# Altium PCB e-puck3-coreboard.PcbDoc (part 3 of 7) (continued)
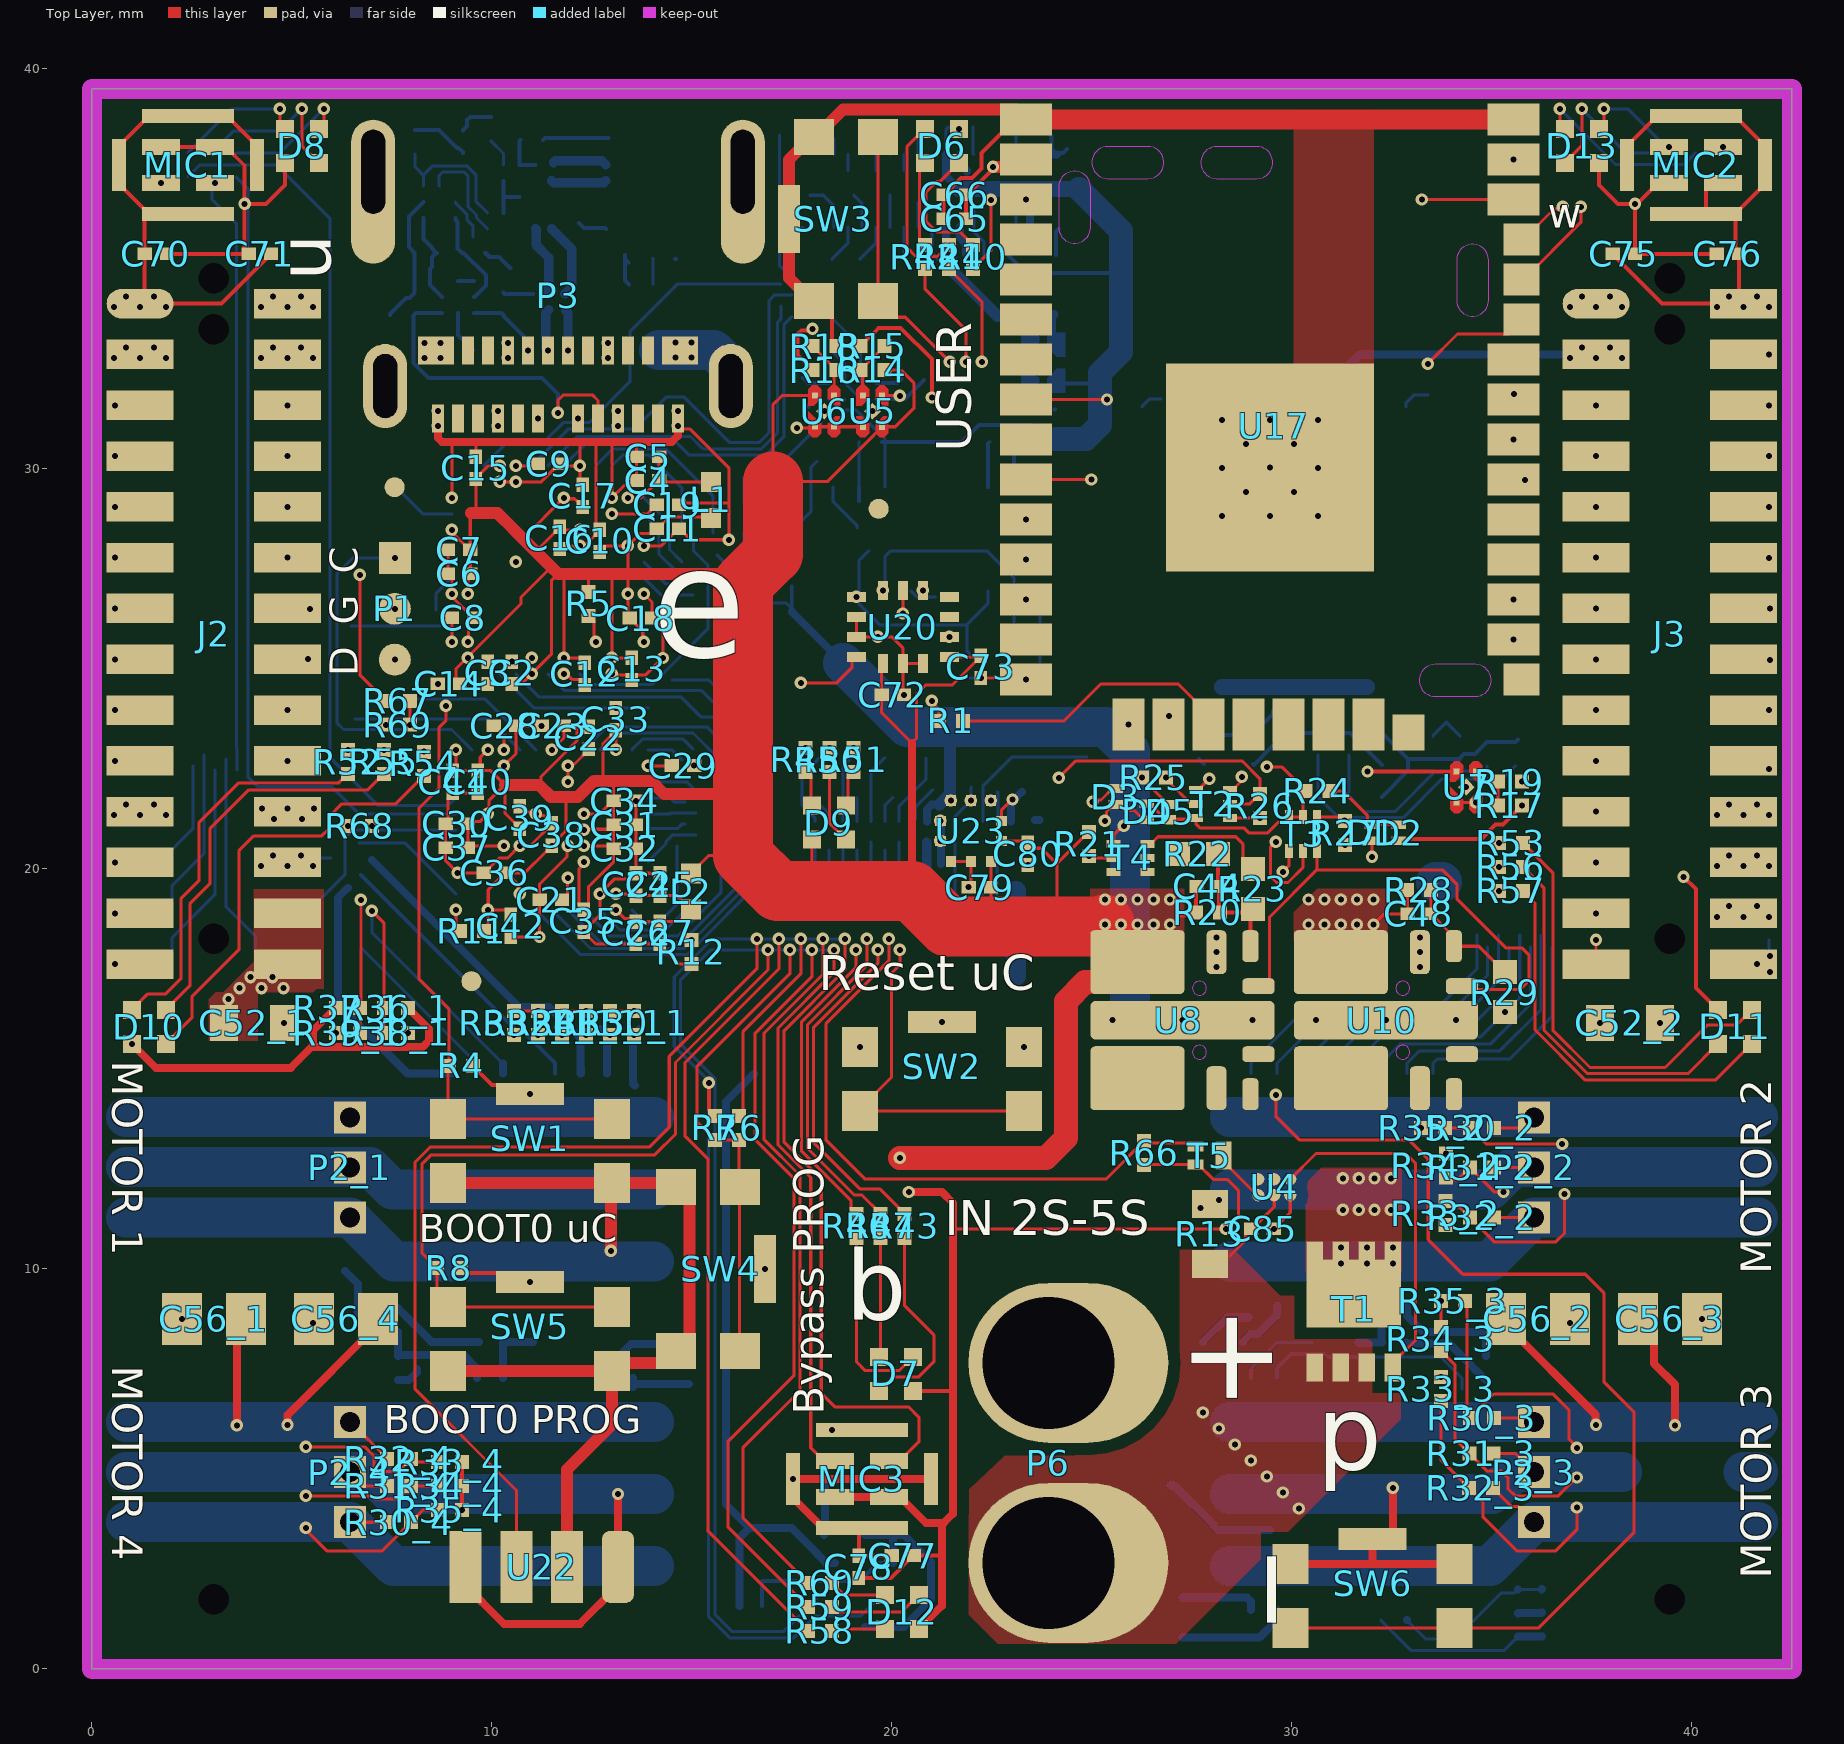
[diagram p0: Top Layer view]
## Nets (pads, with @x,y where several pads share a name; then routed paths per layer and width w, separated by ;. In a path a pad name is that pad's centre, name@x,y a point inside that pad or via, vN(x,y) a via of type N, cw(c..) or ccw(c..) an arc to the next point about the centre after c; other vN are vias at no path point) (continued)
  other v9: 30.175,4.006 29.775,4.406 29.375,4.806 28.975,5.206 28.575,5.606 28.175,6.006 27.775,6.406
BOOT0_2: R4.1 SW1.1 U1.A10 | length 19.3
  Top Layer w0.077: v4(8.85,24.075) 8.85,23.7 8.675,23.525 8.675,22.009 8.175,21.509 8.175,17.25 8.925,16.5 R4.1@8.925,15.075 8.9,15.05 SW1.1@8.9,13.75 SW1.1@13,13.75
  Bot Mid Layer 2 w0.077: v4(8.85,24.075) 12.175,24.075 12.6,24.5 v3(12.6,24.875)
  other v1: 12.6,24.875
  other v2: 12.6,24.875
  other v5: 8.85,24.075
  other v6: 8.85,24.075
  other v7: 8.85,24.075
  other v8: 8.85,24.075
  other v9: 8.85,24.075
BYPASS_PROG_1: R6.1 U1.L1 | length 29.4
  Top Layer w0.077: R6.1@16.175,13.825 16.275,13.925 16.275,15.925 17.725,17.375 v9(17.725,18.25)
  Top Mid Layer 2 w0.077: v6(7,19.493) 9.01,19.493 10.452,18.05 13.85,18.05 14.609,18.809 17.166,18.809 v9(17.725,18.25)
  Bot Mid Layer 3 w0.077: v6(7,19.493) 7.872,20.364 7.872,28.078 7.5,28.45 v4(7.5,29.65)
  Bottom Layer w0.077: v4(7.5,29.65) 8.275,28.875 U1.L1@9,28.875
  other v1: 7.5,29.65
  other v2: 7.5,29.65
  other v3: 7.5,29.65
  other v5: 7,19.493
  other v7: 17.725,18.25
  other v8: 17.725,18.25
bypass_prog_3: R6.2 R7.1 SW4.1 U2.B1 U2.C2 | length 30.2
  Top Layer w0.077: SW4.1@16.19,7.936 SW4.1@16.19,12.036 ; SW4.1@16.45,12.05 16.175,12.325 R6.2@16.175,13.225 R7.1@15.575,13.225 15.125,13.675 15.125,15.05 17.45,17.375 v9(17.45,17.975)
  Top Mid Layer 1 w0.077: v7(17.325,32.775) 17.325,32.213 17.322,32.21 17.322,27.925 16.757,27.361 16.757,22.943 17.825,21.875 17.825,19.45 17.45,19.075 v9(17.45,17.975)
  Bot Mid Layer 1 w0.077: v7(17.325,32.775) 18.314,32.775 18.464,32.925 v2(18.525,32.925)
  Bottom Layer w0.077: v2(18.525,32.925) 18.816,32.634 U2.B1@18.816,32.15 U2.C2@19.216,31.75
  other v1: 18.525,32.925
  other v3: 17.325,32.775
  other v4: 17.325,32.775
  other v5: 17.325,32.775
  other v6: 17.325,32.775
  other v8: 17.45,17.975
C_CC1_7: C83.1 P3.A5 U13.A1 | length 8.2
  Top Layer w0.077: v10(11.65,31.4) 11.65,31.707 11.793,31.85 12.511,31.85 12.655,31.706 P3.A5@12.655,31.26
  Bottom Layer w0.1: U13.A1@8.75,33.9 8.105,33.9 C83.1@8.05,33.845 8.041,33.836 8.041,32.649 8.415,32.275 11.25,32.275 11.65,31.875 v10(11.65,31.4)
C_CC2_7: C84.1 P3.B5 U13.A3 | length 1.9
  Bottom Layer w0.1: U13.A3@9.55,33.9 10.238,33.9 C84.1@10.293,33.845 10.293,33.825 10.905,33.213 v10(10.905,32.96)
C_DM_7: D15.A1 P3.A7 P3.B7 | length 3.1
  Top Mid Layer 1 w0.077: v9(11.155,31.26) 11.155,31.705 11.905,32.455 v22(11.905,32.96)
  Bottom Layer w0.077: D15.A1@11.825,33.975 D15.A1@11.85,33.95 ; v22@11.85,33.015 v22(11.905,32.96)
  Bottom Layer w0.234: D15.A1@11.85,33.95 11.905,33.895 v22(11.905,32.96)
  other v8: 11.155,31.26
C_DP_7: D15.B1 P3.A6 P3.B6 | length 3.1
  Bot Mid Layer 2 w0.077: v21(11.405,32.96) 11.405,32.456 12.155,31.706 v9(12.155,31.26)
  Bottom Layer w0.234: v21(11.405,32.96) 11.35,33.015 11.35,33.9 D15.B1@11.425,33.975
  other v4: 12.155,31.26
  other v5: 12.155,31.26
  other v6: 12.155,31.26
  other v7: 12.155,31.26
  other v8: 12.155,31.26
CAN1.RX_1: U1.A4 U19.4 | length 13.5
  Bot Mid Layer 2 w0.077: v3(13.911,24.025) 13.911,24.626 14.372,25.086 14.372,25.539 16.183,27.35 18.375,27.35 v3(18.85,27.825)
  Bot Mid Layer 1 w0.077: v3(18.85,27.825) v2(20.475,29.45)
  Bottom Layer w0.077: U1.A4@10.2,24.875 11.05,24.025 v3(13.911,24.025)
  other v1: 13.911,24.025 20.475,29.45
  other v2: 13.911,24.025
CAN1.TX_1: U1.D5 U19.1 | length 12.1
  Top Mid Layer 1 w0.077: v7(18.35,26.332) v7(18.35,27.825)
  Bot Mid Layer 1 w0.077: v7(18.35,27.825) 18.35,27.857 18.974,28.482 19.082,28.482 v2(19.125,28.525)
  Top Mid Layer 2 w0.077: v4(10.6,26.075) 11.104,25.571 13.271,25.571 13.638,25.938 14.406,25.938 14.689,26.221 17.45,26.221 17.561,26.332 v7(18.35,26.332)
  Bot Mid Layer 3 w0.077: v5@10.583,26.057 v4(10.6,26.075)
  Bottom Layer w0.077: U19.1@18.525,29.55 18.525,29.186 19.125,28.586 v2(19.125,28.525)
  other v1: 10.6,26.075 19.125,28.525
  other v2: 10.6,26.075
  other v3: 10.6,26.075 18.35,27.825
  other v4: 18.35,27.825
  other v5: 10.6,26.075 18.35,27.825
  other v6: 10.6,26.075 18.35,27.825
CAN_BUS.CANH_1: J1.1 J2.17 J4.37 U19.7 U21.7 | length 38.7
  Bot Mid Layer 1 w0.077: v2(19.425,27.95) 20.856,29.381 20.856,30.994 20.4,31.45 v4(20.375,31.45)
  Top Mid Layer 2 w0.077: v6(1.175,30.225) 1.45,29.95 6.675,29.95 v6(7.2,30.475)
  Bot Mid Layer 3 w0.077: v3(0.575,23.969) 1.6,24.995 1.6,29.775 1.175,30.2 v6(1.175,30.225) ; v6(7.2,30.475) 9.068,32.343 15.143,32.343 15.408,32.607 15.408,32.693 15.773,33.059 18.766,33.059 v4(20.375,31.45)
  Bottom Layer w0.077: v2(19.425,27.95) 19.175,27.7 U19.7@19.175,26.95 19.175,26.625 19.7,26.1 21.875,26.1 ; J1.1@21.95,25.375 21.875,25.45 21.875,26.1 ; U21.7@22.4,26.95 22.4,26.625 21.875,26.1
  other v1: 0.575,23.969 19.425,27.95
  other v2: 0.575,23.969
  other v3: 20.375,31.45
  other v4: 0.575,23.969
  other v5: 0.575,23.969 1.175,30.225 7.2,30.475
  other v6: 0.575,23.969
  other v7: 0.575,23.969
  other v8: 0.575,23.969
  other v9: 0.575,23.969
CAN_BUS.CANL_1: J2.19 J4.35 R76.2 U19.6 U21.6 | length 40.5
  Bot Mid Layer 1 w0.077: v2(19.975,27.95) 21.208,29.183 21.208,31.017 v4(20.375,31.85)
  Top Mid Layer 2 w0.077: v6(1.175,30.75) v6(6.925,30.75)
  Bot Mid Layer 3 w0.077: v3(0.575,22.699) 1.825,23.949 1.825,30.1 v6(1.175,30.75) ; v6(6.925,30.75) 7.206,30.75 8.957,32.501 15.084,32.501 15.254,32.671 15.254,32.757 15.709,33.213 19.012,33.213 v4(20.375,31.85)
  Bottom Layer w0.077: U19.6@19.825,26.95 19.825,27.8 v2(19.975,27.95) 22.375,27.95 23.05,27.275 U21.6@23.05,26.95 R76.2@23.05,25.65
  other v1: 0.575,22.699 19.975,27.95
  other v2: 0.575,22.699
  other v3: 20.375,31.85
  other v4: 0.575,22.699
  other v5: 0.575,22.699 1.175,30.75 6.925,30.75
  other v6: 0.575,22.699
  other v7: 0.575,22.699
  other v8: 0.575,22.699
  other v9: 0.575,22.699
CAN_PROG.RX_1: U3.B3 U21.4 | length 24.3
  Top Mid Layer 1 w0.077: v3(9.5,22.175) 10.296,22.175 10.571,22.45 10.571,22.746 11.275,23.45 12.143,23.45 12.343,23.25 v7(13.825,23.25) ; v7(24.275,23.975) 24.943,24.643 24.943,28.846 25.553,29.457 25.757,29.457 v7(25.8,29.5)
  Bot Mid Layer 1 w0.077: v2(23.7,29.55) 23.725,29.525 25.775,29.525 v7(25.8,29.5)
  Top Mid Layer 2 w0.077: v7(13.825,23.25) 14.175,23.25 14.582,23.657 17.679,23.657 17.747,23.725 22.8,23.725 23.05,23.975 v7(24.275,23.975)
  other v1: 9.5,22.175 23.7,29.55
  other v2: 9.5,22.175
  other v3: 25.8,29.5
  other v4: 9.5,22.175 25.8,29.5
  other v5: 9.5,22.175 25.8,29.5
  other v6: 9.5,22.175 25.8,29.5
  other v7: 9.5,22.175
CAN_PROG.TX_1: U3.C4 U21.1 | length 32.9
  Bot Mid Layer 2 w0.077: v4(23.3,20.8) 23.397,20.897 23.397,21.65 26.075,24.328 v3(26.075,28.9)
  Bot Mid Layer 1 w0.077: v2(21.75,29.55) 22.4,28.9 v3(26.075,28.9)
  Bot Mid Layer 3 w0.077: v3(9.9,21.775) 9.325,21.199 9.325,19.178 9.482,19.02 9.482,18.802 9.873,18.412 10.824,18.412 11.757,17.479 15.38,17.479 18.701,20.8 v4(23.3,20.8)
  other v1: 9.9,21.775 21.75,29.55
  other v2: 9.9,21.775
  other v4: 9.9,21.775
CC1_7: C58.1 U12.C1 U13.B1 | length 2.3
  Bottom Layer w0.1: U12.C1@8.289,36.275 8.289,35.741 8.5,35.53 8.5,35.51 C58.1@8.61,35.4 ; C58.1@8.63,35.4 C58.1@8.61,35.4 ; U13.B1@8.75,34.3 8.45,34.6 8.45,35.002 8.5,35.052 8.5,35.29 C58.1@8.61,35.4
CC2_7: C59.1 U12.A1 U13.B3 | length 2.4
  Bottom Layer w0.1: U12.A1@9.089,36.275 9.089,36.22 9.14,36.169 9.14,35.51 9.25,35.4 C59.1@9.27,35.4 9.29,35.4 9.85,34.84 9.85,34.582 9.568,34.3 U13.B3@9.55,34.3
DAC1_1: J3.5 J5.49 U1.L9 | length 27.6
  Top Mid Layer 2 w0.077: v4(12.2,28.875) 12.863,29.538 13.509,29.538 14.298,28.749 21.191,28.749 21.459,29.018 35.821,29.018 37.608,30.805 v3(37.608,31.585)
  other v1: 12.2,28.875 37.608,31.585
  other v2: 12.2,28.875 37.608,31.585
  other v3: 12.2,28.875
  other v4: 37.608,31.585
  other v5: 12.2,28.875 37.608,31.585
  other v6: 12.2,28.875 37.608,31.585
  other v7: 37.608,31.585
  other v8: 37.608,31.585
  other v9: 37.608,31.585
DCMI.DCMI_D0_1: P4.10 P5.10 U1.K4 | length 33.3
  Bot Mid Layer 2 w0.077: v3(20.025,21.785) 20.025,21.789 20.583,22.346 20.583,23.086 22.01,24.513 22.01,26.098 21.899,26.208 21.899,28.226 21.782,28.343 21.782,33.418 20.575,34.625 20.575,36.375 20.3,36.65 v3(20.3,37.46)
  Bot Mid Layer 3 w0.077: v3(10.2,28.475) 9.628,29.046 9.628,30.364 10.065,30.8 14.116,30.8 14.889,30.028 17.557,30.028 17.934,30.405 21.63,30.405 v4(21.775,30.55)
  Bottom Layer w0.077: P5.10@19.825,21.185 19.825,21.585 v3(20.025,21.785) ; v3(20.3,37.46) P4.10@20.3,37.86
  other v1: 20.025,21.785 10.2,28.475 20.3,37.46
  other v2: 20.025,21.785 10.2,28.475 20.3,37.46
  other v4: 10.2,28.475
DCMI.DCMI_D1_1: P4.21 P5.21 U1.F5 | length 35.3
  Bot Mid Layer 2 w0.077: v3(19.825,20.465) 19.825,21.607 19.757,21.674 19.757,21.896 20.061,22.2 20.063,22.2 20.429,22.565 20.429,23.215 21.725,24.511 v4(21.725,25.35) 21.725,28.05 21.507,28.268 21.507,33.393 20.3,34.6 v3(20.3,35.24)
  Top Mid Layer 2 w0.077: v3(10.6,26.875) 9.778,26.875 9.111,26.207 8.942,26.207 8.546,25.811 8.546,25.539 10.089,23.995 13.745,23.995 14.775,25.025 20.925,25.025 21.25,25.35 v4(21.725,25.35)
  Bottom Layer w0.077: P5.21@19.825,19.365 v3(19.825,20.465) ; v3(20.3,35.24) P4.21@20.3,36.04
  other v1: 19.825,20.465 10.6,26.875 20.3,35.24
  other v2: 19.825,20.465 10.6,26.875 20.3,35.24
  other v4: 10.6,26.875
  other v5: 21.725,25.35 10.6,26.875
  other v6: 21.725,25.35 10.6,26.875
DCMI.DCMI_D2_1: P4.11 P5.11 U1.A7 | length 29.3
  Bot Mid Layer 2 w0.077: v3(19.825,22.775) 19.825,23.65 21,24.825 v3(21,24.85) 21,26.404 20.826,26.578 20.826,28.001 20.951,28.126 20.951,33.099 19.55,34.5 19.55,35.8 19.4,35.95 19.4,37.282 19.332,37.349 19.332,37.643 v3(19.95,38.26)
  Bot Mid Layer 1 w0.077: v2(15.525,24.175) 16.125,24.775 20.386,24.775 20.461,24.85 v3(21,24.85)
  Bottom Layer w0.077: U1.A7@11.4,24.875 11.822,24.453 15.247,24.453 v2(15.525,24.175) ; P5.11@19.475,21.185 19.475,22.425 v3(19.825,22.775) ; P4.11@19.95,37.86 v3(19.95,38.26)
  other v1: 19.825,22.775 15.525,24.175 19.95,38.26
  other v2: 19.825,22.775 19.95,38.26
DCMI.DCMI_D3_1: P4.20 P5.20 U1.P3 | length 33.6
  Bot Mid Layer 2 w0.077: v3(19.475,20.665) 19.475,21.831 19.997,22.354 20,22.354 20.275,22.628 20.275,23.374 21.515,24.615 21.515,25.078 21.4,25.193 21.4,26.432 21.515,26.547 21.515,27.96 21.353,28.122 21.353,33.272 19.879,34.746 19.879,35.886 19.95,35.958 v3(19.95,36.84)
  Bot Mid Layer 1 w0.077: v2(17.225,34.625) 19.44,36.84 v3(19.95,36.84)
  Bottom Layer w0.077: U1.P3@9.8,30.075 10.45,30.725 11.353,30.725 11.782,31.154 12.429,31.154 13.45,32.175 13.45,33.425 14.65,34.625 17.19,34.625 17.207,34.608 v2(17.225,34.625) ; P5.20@19.475,19.365 v3(19.475,20.665) ; P4.20@19.95,36.04 v3(19.95,36.84)
  other v1: 19.475,20.665 17.225,34.625 19.95,36.84
  other v2: 19.475,20.665 19.95,36.84
DCMI.DCMI_D4_1: P4.12 P5.12 U1.F7 | length 28.8
  Bot Mid Layer 2 w0.077: v3(19.125,21.785) 19.561,22.221 19.647,22.221 19.934,22.508 19.936,22.508 20.121,22.692 20.121,23.567 21.361,24.808 21.361,25.014 21.2,25.175 21.2,26.45 21.361,26.611 21.361,27.514 21.15,27.725 21.15,33.2 19.704,34.646 19.704,35.896 19.6,36 v3(19.6,37.46)
  Top GND Plane w0.077: v8(11.4,26.875) 11.668,26.607 17.682,26.607 18.425,27.35 19.6,27.35 20.025,27.775 v8(21.1,27.775)
  Bottom Layer w0.077: P5.12@19.125,21.185 v3(19.125,21.785) ; v3(19.6,37.46) P4.12@19.6,37.86
  other v1: 19.125,21.785 11.4,26.875 19.6,37.46
  other v2: 19.125,21.785 11.4,26.875 19.6,37.46
  other v3: 11.4,26.875
  other v4: 11.4,26.875 21.1,27.775
  other v5: 11.4,26.875 21.1,27.775
  other v6: 11.4,26.875 21.1,27.775
  other v7: 11.4,26.875 21.1,27.775
DCMI.DCMI_D5_1: P4.19 P5.19 U1.D10 | length 26.8
  Bot Mid Layer 2 w0.077: v3(19.125,20.465) 19.125,20.85 18.825,21.15 18.825,21.863 19.161,22.2 19.163,22.2 19.557,22.594 19.557,23.707 20.672,24.822 20.672,30.772 20.797,30.897 20.797,32.978 19.2,34.575 v3(19.2,35.24)
  Bot Mid Layer 3 w0.077: v3(12.6,26.075) 12.908,26.382 20.118,26.382 20.4,26.1 v4(20.675,26.1)
  Bottom Layer w0.077: P5.19@19.125,19.365 v3(19.125,20.465) ; v3(19.2,35.24) 19.6,35.64 P4.19@19.6,36.04
  other v1: 19.125,20.465 12.6,26.075 19.2,35.24
  other v2: 19.125,20.465 12.6,26.075 19.2,35.24
  other v4: 12.6,26.075
DCMI.DCMI_D6_1: P4.13 P5.13 U1.C11 | length 26.2
  Bot Mid Layer 2 w0.077: v3(18.925,22.775) 18.925,24.025 19.954,25.054 v4(19.954,25.95) 19.921,25.983 19.921,33.107 18.233,34.796 18.233,36.414 19.171,37.353 19.171,37.736 19.25,37.815 v3(19.25,38.26)
  Bot Mid Layer 3 w0.077: v3(13,25.675) 13.427,25.675 13.702,25.95 v4(19.954,25.95)
  Bottom Layer w0.077: P5.13@18.775,21.185 18.775,22.564 18.925,22.714 v3(18.925,22.775) ; P4.13@19.25,37.86 v3(19.25,38.26)
  other v1: 18.925,22.775 13,25.675 19.25,38.26
  other v2: 18.925,22.775 13,25.675 19.25,38.26
  other v4: 13,25.675
DCMI.DCMI_D7_1: P4.18 P5.18 U1.B12 | length 27.7
  Bot Mid Layer 2 w0.077: v3(18.775,20.665) 18.775,20.975 18.6,21.15 18.6,21.856 19.097,22.354 19.1,22.354 19.403,22.657 19.403,23.946 20.501,25.043 20.501,25.896 20.407,25.989 20.407,26.443 v3(20.4,26.45) 20.4,30.9 20.643,31.143 20.643,32.071 20.388,32.325 20.388,33.08 18.825,34.643 18.825,36.615 v3(19.05,36.84)
  Bot Mid Layer 1 w0.077: v2(13.4,25.275) 13.773,25.275 14.765,26.268 20.204,26.268 20.386,26.45 v3(20.4,26.45)
  Bottom Layer w0.077: P5.18@18.775,19.365 v3(18.775,20.665) ; v3(19.05,36.84) 19.25,36.64 P4.18@19.25,36.04
  other v1: 18.775,20.665 13.4,25.275 19.05,36.84
  other v2: 18.775,20.665 19.05,36.84
DCMI.DCMI_D8_1: P4.14 P5.14 U1.B3 | length 29.9
  Bot Mid Layer 2 w0.077: v3(18.025,21.785) 18.657,22.417 18.657,24.075 19.675,25.092 v3(19.675,25.375) 19.686,25.386 19.686,33.124 18.079,34.732 18.079,36.59 18.9,37.412 v3(18.9,37.46)
  Bot Mid Layer 1 w0.077: v2(9.8,25.275) 9.8,25.267 11.249,23.818 12.682,23.818 12.988,23.512 14.001,23.512 15.864,25.375 v3(19.675,25.375)
  Bottom Layer w0.077: v3(18.025,21.785) 18.364,21.447 18.364,21.247 P5.14@18.425,21.185 ; v3(18.9,37.46) P4.14@18.9,37.86
  other v1: 18.025,21.785 9.8,25.275 18.9,37.46
  other v2: 18.025,21.785 18.9,37.46
DCMI.DCMI_D9_1: P4.17 P5.17 U1.C3 | length 30.4
  Bot Mid Layer 2 w0.077: v3(18.425,20.465) 18.425,21.899 19.034,22.508 19.036,22.508 19.249,22.721 19.249,24.074 20.233,25.058 v4(20.233,25.35) 20.233,26.167 20.075,26.325 20.075,33.175 18.5,34.75 v3(18.5,35.24)
  Top Mid Layer 2 w0.077: v3(9.8,25.675) 9.8,24.968 10.464,24.303 13.464,24.303 14.778,25.618 19.507,25.618 19.775,25.35 v4(20.233,25.35)
  Bottom Layer w0.077: P5.17@18.425,19.365 v3(18.425,20.465) ; v3(18.5,35.24) 18.9,35.64 P4.17@18.9,36.04
  other v1: 18.425,20.465 9.8,25.675 18.5,35.24
  other v2: 18.425,20.465 9.8,25.675 18.5,35.24
  other v4: 9.8,25.675
  other v5: 20.233,25.35 9.8,25.675
  other v6: 20.233,25.35 9.8,25.675
DCMI.DCMI_D10_1: P4.15 P5.15 U1.D3 | length 32
  Bot Mid Layer 2 w0.077: v3(18.2,22.775) 18.2,24.421 19.129,25.35 19.129,33.246 17.675,34.7 17.675,37.385 v3(18.55,38.26)
  Top Mid Layer 2 w0.077: v3(9.8,26.075) 9.778,26.053 9.006,26.053 8.7,25.748 8.7,25.602 10.153,24.149 13.624,24.149 14.825,25.35 v4(19.125,25.35)
  Bottom Layer w0.077: P5.15@18.075,21.185 18.075,21.275 17.758,21.593 17.758,22.333 v3(18.2,22.775) ; P4.15@18.55,37.86 v3(18.55,38.26)
  other v1: 18.2,22.775 9.8,26.075 18.55,38.26
  other v2: 18.2,22.775 9.8,26.075 18.55,38.26
  other v4: 9.8,26.075
  other v5: 19.125,25.35 9.8,26.075
  other v6: 19.125,25.35 9.8,26.075
DCMI.DCMI_D11_1: P4.16 P5.16 U1.E5 | length 29.6
  Bot Mid Layer 2 w0.077: v3(17.95,36.84) 17.925,36.814 17.925,34.668 19.4,33.193 v4(19.4,26.65) 19.4,25.247 18.503,24.35 18.503,22.685 17.758,21.939 17.758,20.982 v3(18.075,20.665)
  Top Mid Layer 2 w0.077: v4(10.6,26.475) 11.35,25.725 13.075,25.725 13.442,26.092 14.192,26.092 14.475,26.375 17.228,26.375 17.503,26.65 v4(19.4,26.65)
  Bottom Layer w0.077: v3(17.95,36.84) 18.285,36.84 18.55,36.575 P4.16@18.55,36.04 ; P5.16@18.075,19.365 v3(18.075,20.665)
  other v1: 18.075,20.665 10.6,26.475 17.95,36.84
  other v2: 18.075,20.665 10.6,26.475 17.95,36.84
  other v3: 10.6,26.475
  other v5: 10.6,26.475 19.4,26.65
  other v6: 10.6,26.475 19.4,26.65
DCMI.DCMI_HSYNC_1: P4.8 P5.8 U1.M5 | length 31.6
  Bot Mid Layer 2 w0.077: v3(21,37.46) 21,37.207 21.443,36.765 21.443,35.157 22.775,33.825 v4(22.775,29.475) 22.775,23.725 v3(21.025,21.975)
  Bot Mid Layer 3 w0.077: v3(10.6,29.275) 11.663,30.338 13.925,30.338 14.697,29.566 17.749,29.566 18.125,29.943 22.307,29.943 v4(22.775,29.475)
  Bottom Layer w0.077: P5.8@20.525,21.185 20.587,21.247 20.587,21.537 v3(21.025,21.975) ; v3(21,37.46) P4.8@21,37.86
  other v1: 21.025,21.975 10.6,29.275 21,37.46
  other v2: 21.025,21.975 10.6,29.275 21,37.46
  other v4: 10.6,29.275
DCMI.DCMI_PIXCLK_1: P4.9 P5.9 U1.N10 | length 29.9
  Bot Mid Layer 2 w0.077: v3(20.65,38.26) 20.65,37.432 20.5,37.282 20.5,36.675 20.729,36.446 20.729,34.771 22.05,33.45 v3(22.05,32.25) 22.053,32.247 22.053,26.272 22.164,26.161 22.164,24.339 20.85,23.025 v3(20.85,22.775)
  Bot Mid Layer 1 w0.077: v2(12.6,29.675) 12.871,29.946 12.875,29.942 16.821,29.942 17.629,30.75 18.457,30.75 20.354,32.647 21.653,32.647 v3(22.05,32.25)
  Bottom Layer w0.077: P5.9@20.175,21.185 20.175,21.557 20.85,22.232 v3(20.85,22.775) ; P4.9@20.65,37.86 v3(20.65,38.26)
  other v1: 20.85,22.775 12.6,29.675 20.65,38.26
  other v2: 20.85,22.775 20.65,38.26
DCMI.DCMI_VSYNC_1: P4.23 P5.23 U1.D11 | length 28.2
  Bot Mid Layer 2 w0.077: v3(20.525,20.465) 20.525,21.643 20.7,21.818 20.7,22.028 22.475,23.803 v3(22.475,26.55) 22.475,29.813 22.593,29.93 22.593,33.607 21.175,35.025 v3(21.175,35.225)
  Bot Mid Layer 1 w0.077: v2(13,26.075) 13.005,26.075 13.355,26.425 14.407,26.425 14.561,26.579 19.679,26.579 19.972,26.872 20.644,26.872 21.008,26.508 22.433,26.508 v3(22.475,26.55)
  Bottom Layer w0.077: P5.23@20.525,19.365 v3(20.525,20.465) ; P4.23@21,36.04 21,35.4 v3(21.175,35.225)
  other v1: 20.525,20.465 13,26.075 21.175,35.225
  other v2: 20.525,20.465 21.175,35.225
DCMI.EXTCLK_1: P4.22 P5.22 U1.K2 | length 36.5
  Bot Mid Layer 2 w0.077: v3(20.175,20.665) 20.175,21.511 20.375,21.711 20.375,21.921 21.15,22.696 21.15,22.925 22.318,24.093 22.318,26.329 22.207,26.439 22.207,26.78 22.318,26.89 22.318,33.507 20.883,34.942 20.883,36.807 v3(20.85,36.84)
  Bot Mid Layer 3 w0.077: v3(9.4,28.475) 9.4,28.657 9.32,28.737 9.32,30.492 10.492,31.664 13.689,31.664 15.016,30.336 16.936,30.336 17.593,30.993 21.933,30.993 v4(22.325,30.6)
  Bottom Layer w0.077: P5.22@20.175,19.365 v3(20.175,20.665) ; P4.22@20.65,36.04 20.65,36.64 v3(20.85,36.84)
  other v1: 20.175,20.665 9.4,28.475 20.85,36.84
  other v2: 20.175,20.665 9.4,28.475 20.85,36.84
  other v4: 9.4,28.475
DCMI.I2C.SCL_1: J2.14 J4.42 P4.26 P5.26 R82.2 U1.J4 | length 55.2
  Top Mid Layer 1 w0.077: v9(5.45,26.5) v7(5.45,28.15) 5.45,30.075 6.3,30.925 6.3,38.5 6.78,38.98 19.51,38.98 v3(22.05,36.44)
  Bot Mid Layer 2 w0.077: v3(22.05,36.44) 24.35,34.14 24.35,23.446 22.618,21.714 22.618,21.057 v3(22.225,20.665)
  Bot Mid Layer 1 w0.077: v7(5.45,28.15) 9.339,28.15 9.739,27.75 9.875,27.75 v2(10.2,28.075) ; v2(21.575,20.665) v3(22.225,20.665)
  Bottom Layer w0.077: P5.26@21.575,19.365 v2(21.575,20.665) ; v3(22.05,36.44) P4.26@22.05,36.04 22.05,35.925 22.3,35.675 R82.2@22.3,35.35
  other v1: 21.575,20.665 5.45,26.5 10.2,28.075 22.05,36.44
  other v2: 5.45,26.5 22.05,36.44
  other v3: 5.45,26.5 5.45,28.15
  other v4: 5.45,26.5 5.45,28.15 22.05,36.44
  other v5: 5.45,26.5 5.45,28.15 22.05,36.44
  other v6: 5.45,26.5 5.45,28.15 22.05,36.44
  other v7: 5.45,26.5 22.05,36.44
  other v8: 5.45,26.5
DCMI.I2C.SDA_1: J2.16 J4.40 P4.5 P5.5 R81.2 U1.L2 | length 56.4
  Top Mid Layer 1 w0.077: v9(5.4,25.25) 5.159,25.491 5.159,28.441 v7(5.15,28.45) 5.159,28.459 5.159,30.002 6.125,30.968 6.125,38.6 6.659,39.134 20.716,39.134 21.297,38.553 22.022,38.553 v3(22.025,38.55)
  Bot Mid Layer 2 w0.077: v3(22.025,38.55) 21.75,38.275 21.75,36.357 24.15,33.957 24.15,23.575 22.393,21.818 22.393,21.592 v3(22.35,21.55)
  Bot Mid Layer 1 w0.077: v7(5.15,28.45) 5.575,28.875 v2(9.4,28.875) ; v2(21.975,22.05) 21.975,21.975 22.35,21.6 v3(22.35,21.55)
  Bottom Layer w0.077: J4.40@4.892,25.235 J4.40@5.361,25.235 ; P5.5@21.575,21.185 21.575,21.3 21.975,21.7 v2(21.975,22.05) ; v3(22.025,38.55) 22.025,37.885 P4.5@22.05,37.86
  other v1: 21.975,22.05 5.4,25.25 9.4,28.875 22.025,38.55
  other v2: 5.4,25.25 22.025,38.55
  other v3: 5.4,25.25 5.15,28.45
  other v4: 5.4,25.25 5.15,28.45 22.025,38.55
  other v5: 5.4,25.25 5.15,28.45 22.025,38.55
  other v6: 5.4,25.25 5.15,28.45 22.025,38.55
  other v7: 5.4,25.25 22.025,38.55
  other v8: 5.4,25.25
DFSDM.CLK_1: MIC1.3 MIC2.3 MIC3.3 MIC4.3 U1.M2 | length 118.7
  Top Layer w0.077: v9(18.825,18.25) 18.825,17.471 17.308,15.954 17.308,13.164 18.235,12.237 18.235,6.89 18.575,6.55 20.415,6.55 20.675,6.29 20.675,5.675 20.2,5.2 MIC3.3@19.925,5.2
  Top Mid Layer 1 w0.077: v9(18.825,18.25) 18.825,18.9 19.8,19.875 v8(19.8,22.625) ; v7(19.012,35.038) v7@19.012,38.563 ; v7(19.7,34.35) v7(19.7,31.625) 19.7,29.275 19.457,29.032 19.457,23.993 v8(20.3,23.15)
  Top GND Plane w0.077: v8(19.8,22.625) 20.3,23.125 v8(20.3,23.15)
  Bot Mid Layer 1 w0.077: v3(9,29.675) v2(9.4,29.275) v2@9.4,29.295
  Top Mid Layer 2 w0.077: v9(1.725,37.15) 1.993,36.883 3.22,36.883 4.888,38.55 6.193,38.55 6.369,38.726 18.861,38.726 v7(19.012,38.575) 19.632,37.955 23.605,37.955 23.952,38.302 27.25,38.302 27.424,38.477 38.473,38.477 39.225,37.725 40.45,37.725 v9(40.775,38.05) ; v7(19.012,35.038) v7(19.7,34.35)
  Bot Mid Layer 3 w0.077: v3(9,29.675) 9,30.389 10.429,31.818 14.672,31.818 15.739,30.75 16.975,30.75 17.85,31.625 v7(19.7,31.625)
  Bottom Layer w0.077: v9(18.825,18.25) 15.516,18.25 14.56,17.294 14.56,15.561 15.421,14.7 15.421,1.304 15.95,0.775 17.55,0.775 18.1,1.325 19.225,1.325 19.65,1.75 MIC4.3@19.925,1.75
  other v1: 18.825,18.25 9.4,29.275
  other v2: 18.825,18.25
  other v3: 18.825,18.25
  other v4: 18.825,18.25 9,29.675
  other v5: 18.825,18.25 19.7,31.625
  other v6: 18.825,18.25 19.7,31.625
  other v7: 18.825,18.25 1.725,37.15 40.775,38.05
  other v8: 18.825,18.25 1.725,37.15 40.775,38.05
DFSDM.MIC12_1: MIC1.4 MIC2.4 U1.C12 | length 65.4
  Bot Mid Layer 2 w0.077: v4(25.7,38.625) 26.45,37.875 26.45,35.146 27.95,33.646 27.95,27.675 v3(26.925,26.65)
  Bot Mid Layer 1 w0.077: v2(13.4,25.675) 13.95,26.225 14.425,26.225 14.625,26.425 19.839,26.425 20.131,26.718 20.58,26.718 21.015,26.282 24.132,26.282 24.425,26.575 26.85,26.575 v3(26.925,26.65)
  Top Mid Layer 2 w0.077: v9(3.075,37.15) 4.65,38.725 6.15,38.725 6.305,38.88 20.62,38.88 21.275,38.225 22.725,38.225 23.125,38.625 v4(25.7,38.625) 25.706,38.631 38.844,38.631 v9(39.425,38.05)
  other v1: 13.4,25.675
  other v5: 25.7,38.625
  other v6: 25.7,38.625
  other v7: 3.075,37.15 39.425,38.05
  other v8: 3.075,37.15 39.425,38.05
DFSDM.MIC34_1: MIC3.4 MIC4.4 U1.L6 | length 57.3
  Top Layer w0.077: v8(18.55,17.975) 18.55,17.414 17.154,16.018 17.154,13.1 17.973,12.281 17.973,5.527 18.3,5.2 MIC3.4@18.575,5.2
  Top Mid Layer 1 w0.077: v7(15.375,29.325) 15.375,25.325 15.825,24.875 15.825,18.2 16.6,17.425 18,17.425 v8(18.55,17.975)
  Top Mid Layer 2 w0.077: v4(11,28.875) 11.246,29.121 11.246,29.311 11.627,29.692 12.19,29.692 12.498,30 14.7,30 v7(15.375,29.325)
  Bottom Layer w0.077: MIC4.4@18.11,1.75 17.289,0.929 16.014,0.929 15.575,1.368 15.575,14.764 14.714,15.625 14.714,17.214 15.475,17.975 v8(18.55,17.975)
  other v1: 18.55,17.975 11,28.875
  other v2: 18.55,17.975 11,28.875
  other v3: 18.55,17.975 11,28.875
  other v4: 18.55,17.975
  other v5: 18.55,17.975 11,28.875
  other v6: 18.55,17.975 11,28.875
  other v7: 18.55,17.975
  other v9: 18.55,17.975
DM_HUB_7: D15.A2 U16.E1 | length 1.9
  Bottom Layer w0.234: U16.E1@11.5,36 11.5,35.993 12,35.493 12,34.55 D15.A2@11.825,34.375
DP_HUB_7: D15.B2 U16.E2 | length 1.8
  Bottom Layer w0.234: U16.E2@11.093,36 11.106,35.987 11.106,35.594 11.425,35.275 D15.B2@11.425,34.375
EN_CAM1_1: P4.2 R79.1 U1.L4 | length 28.3
  Bot Mid Layer 2 w0.077: v3(23.1,37.46) 22.833,37.193 22.833,36.092 26.05,32.875 v4(26.05,30.251)
  Bot Mid Layer 3 w0.077: v4(10.2,28.875) 9.783,29.292 9.783,30.3 10.129,30.646 14.052,30.646 14.825,29.874 17.621,29.874 17.998,30.251 v4(26.05,30.251)
  Bottom Layer w0.077: v3(23.1,37.46) P4.2@23.1,37.86 23.1,38.55 R79.1@23.125,38.575
  other v1: 10.2,28.875 23.1,37.46
  other v2: 10.2,28.875 23.1,37.46
  other v3: 10.2,28.875
EN_CAM2_1: P5.2 R77.1 U1.M4 | length 27.5
  Bot Mid Layer 2 w0.077: v3(22.975,21.55) 22.975,21.784 25.025,23.834 25.025,28.925 v4(25.4,29.3)
  Bot Mid Layer 1 w0.077: v1(22.65,21.925) 22.65,21.9 22.975,21.575 v3(22.975,21.55)
  Bot Mid Layer 3 w0.077: v3(10.2,29.275) 9.937,29.538 9.937,30.237 10.192,30.492 13.989,30.492 14.761,29.72 17.685,29.72 18.061,30.097 23.103,30.097 23.9,29.3 v4(25.4,29.3)
  Bottom Layer w0.077: P5.2@22.625,21.185 22.65,21.21 v1(22.65,21.925) R77.1@22.625,21.9
  other v1: 10.2,29.275
  other v2: 22.65,21.925 10.2,29.275
  other v4: 10.2,29.275
EN_DIST_1: R75.1 U1.K10 U18.5 | length 23.5
  Top Mid Layer 1 w0.077: v7(29.25,28.45) 29.25,25.738 29.525,25.463 v7(29.525,23.95)
  Top Mid Layer 2 w0.077: v4(12.6,28.475) 12.633,28.441 29.241,28.441 v7(29.25,28.45) ; v6@29.525,23.875 v7(29.525,23.95)
  Bottom Layer w0.1: R75.1@27.675,23.35 29,23.35 U18.5@29.05,23.4 29.525,23.875 v7(29.525,23.95)
  other v1: 29.525,23.95 12.6,28.475
  other v2: 29.525,23.95 12.6,28.475
  other v3: 29.525,23.95 12.6,28.475
  other v4: 29.525,23.95
  other v5: 29.525,23.95 12.6,28.475
  other v6: 29.525,23.95 12.6,28.475
EN_EXTENSION_BOT_1: J5.36 U3.E5 | length 35.2
  Top Mid Layer 1 w0.077: v7(10.7,21.375) 11.237,21.911 12.438,21.911 13.335,21.015 14.39,21.015 14.975,21.6 v7(14.975,23.925)
  Top Mid Layer 2 w0.077: v7(14.975,23.925) 22.225,23.925 22.643,24.343 40.482,24.343 v4(41.925,22.9)
  other v1: 10.7,21.375 41.925,22.9
  other v2: 10.7,21.375 41.925,22.9
  other v3: 10.7,21.375 41.925,22.9
  other v4: 10.7,21.375
  other v5: 10.7,21.375 41.925,22.9
  other v6: 10.7,21.375 41.925,22.9
EN_EXTENSION_TOP_1: J3.20 U3.C3 | length 40.3
  Bot Mid Layer 3 w0.077: v3(9.9,22.175) 8.7,20.975 8.7,18.532 9.182,18.05 10.918,18.05 11.642,17.325 15.45,17.325 18.693,20.568 22.908,20.568 23.2,20.275 27.025,20.275 28.013,21.263 29.235,21.263 29.239,21.268 32.518,21.268 33.25,22 41.425,22 v9(41.925,22.5)
  other v1: 9.9,22.175
  other v2: 9.9,22.175
  other v4: 9.9,22.175
  other v5: 41.925,22.5
  other v6: 41.925,22.5
  other v7: 41.925,22.5
  other v8: 41.925,22.5